# KiCad board MASLAB.kicad_pcb (continued)
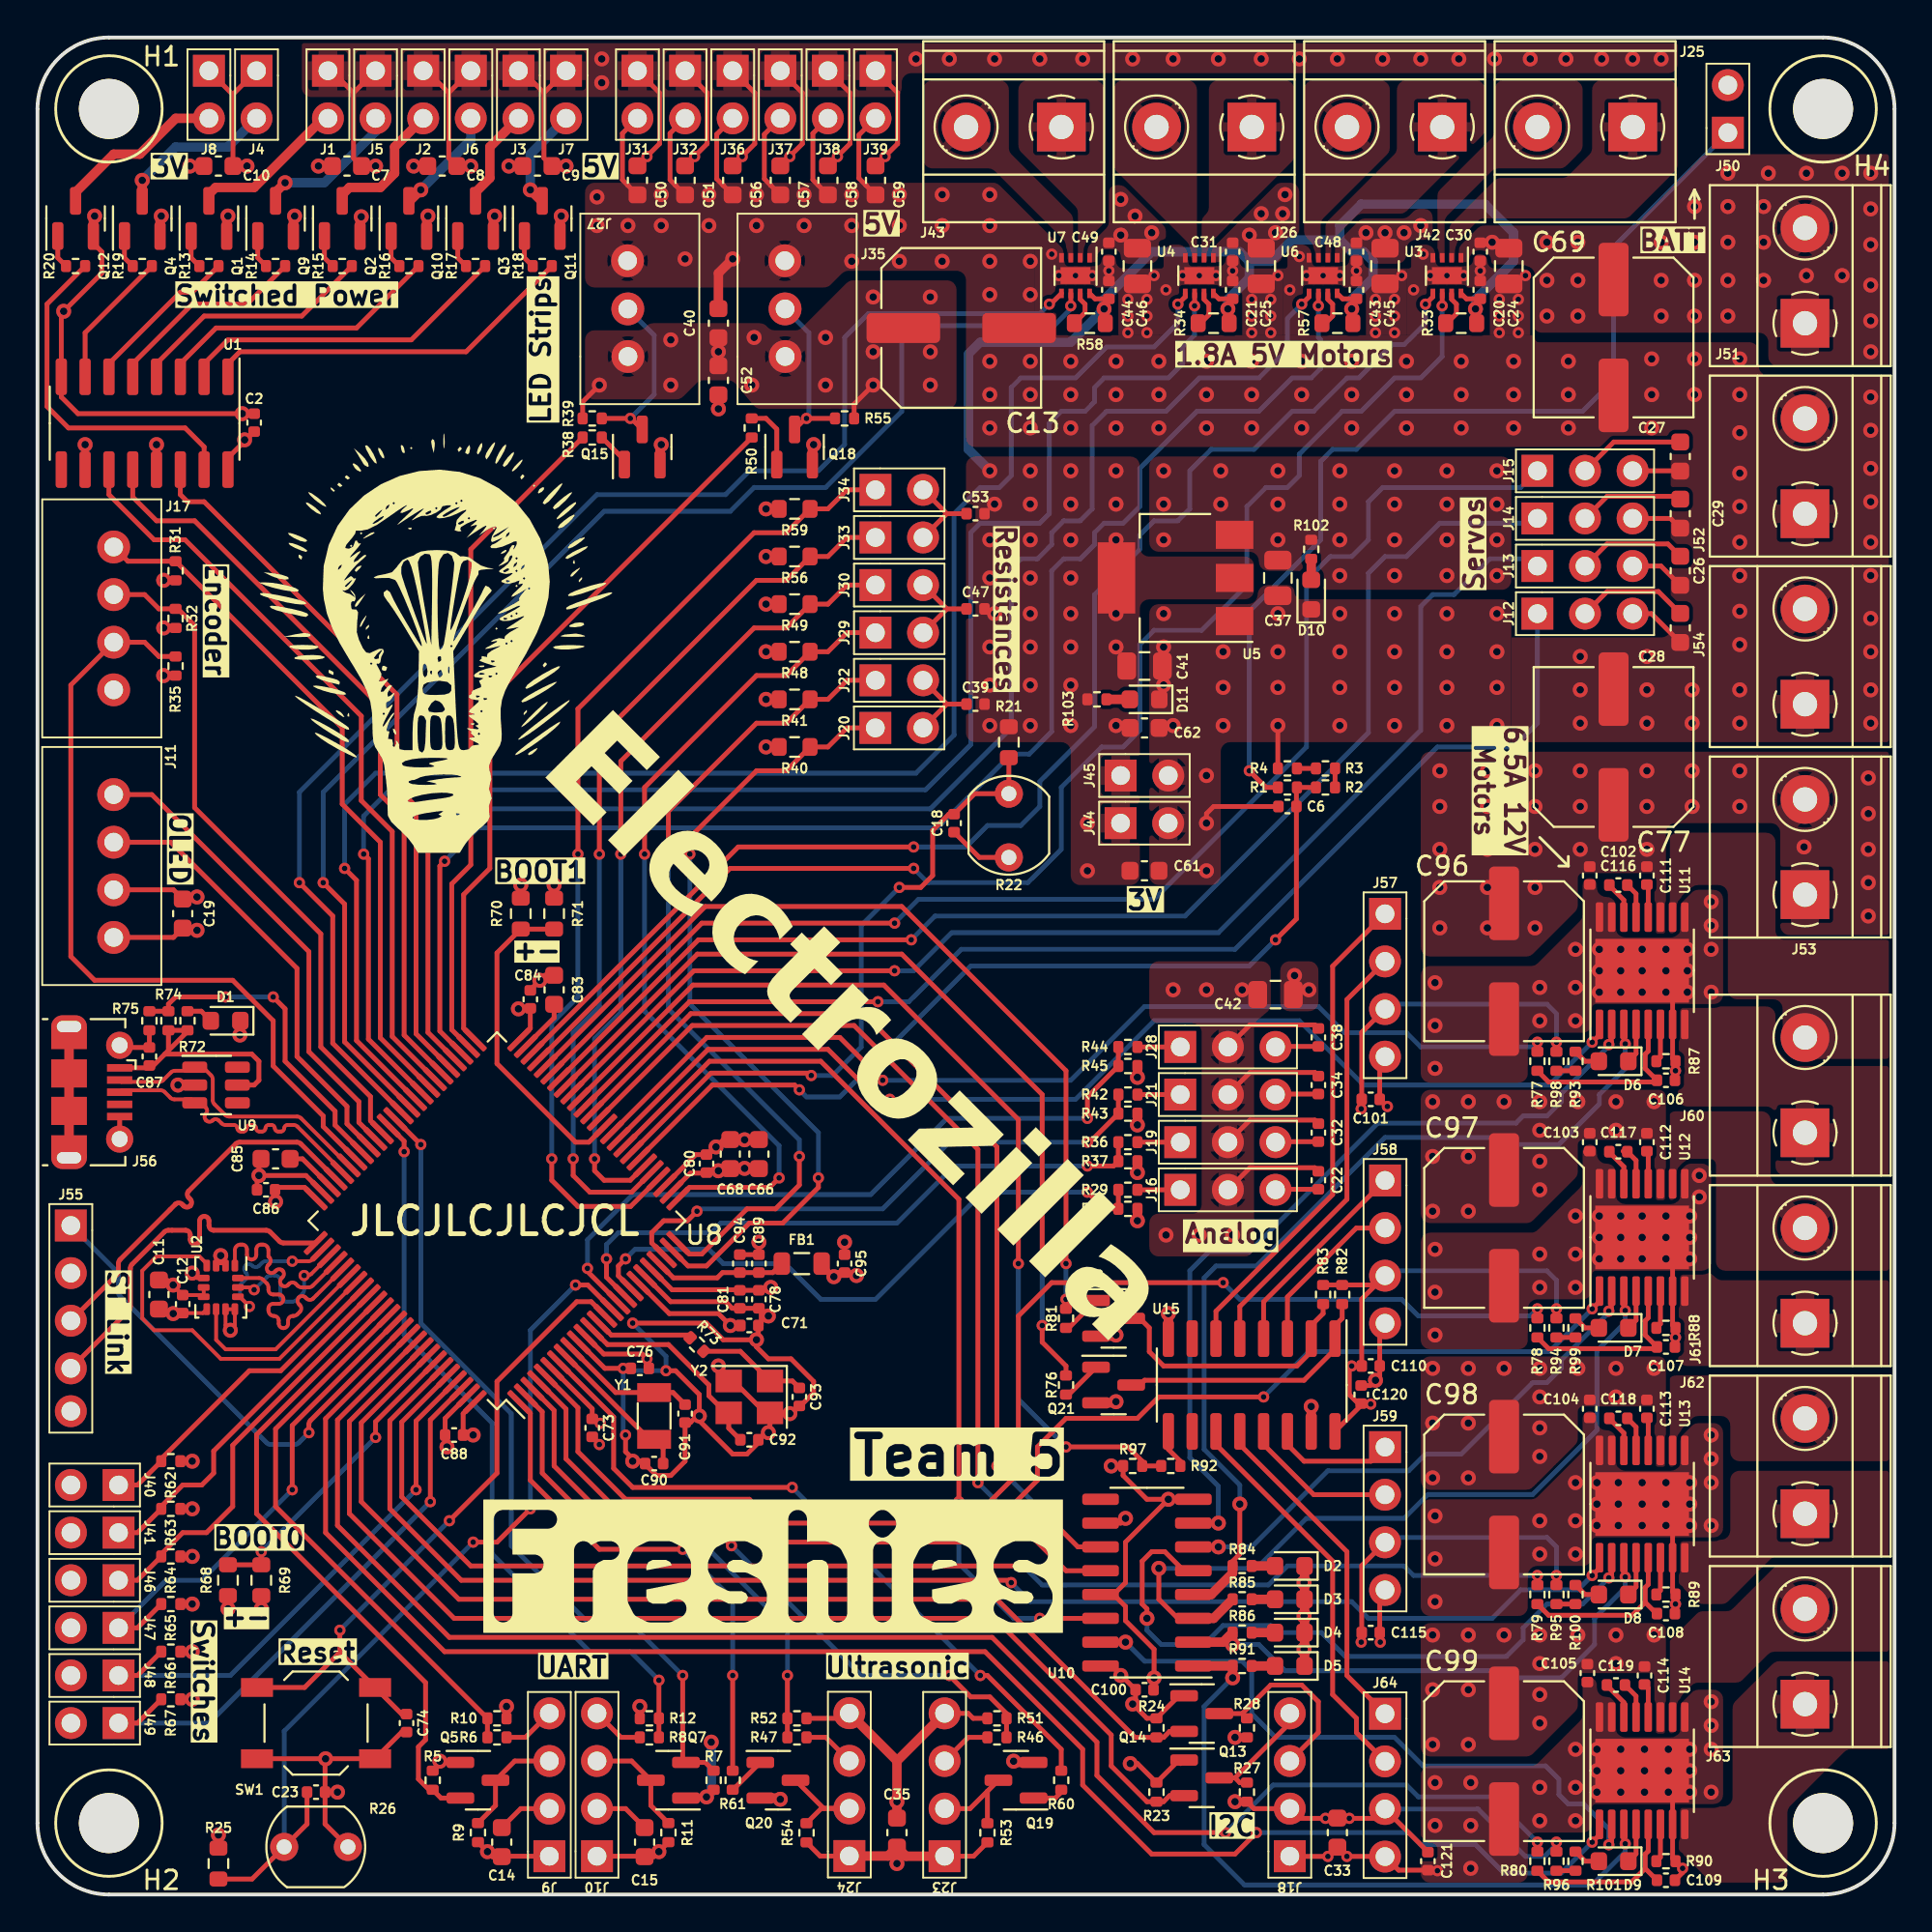
[diagram p0: board, top side]
## Routing (per net, layer and track width the routed paths; a pad name or vN(x,y) marks a point on that pad's centre or on a via; arc(x,y) is an arc through that point) (continued)
/OSC32IN: length 8.1
  Top w0.254: U8.8 32.64,24.28 Y1.2 33.37,23.8 C90.2
/OSC32OUT: length 7.2
  Top w0.254: U8.9 30.85,26.78 Y1.1 33.9,26.78 C91.2
/OSCIN: length 11.2
  Top w0.254: U8.12 30.41,29.34 33.66,29.34 35.81,27.18 35.81,26.61 36.73,25.69 Y2.3 36.87,24.88 C92.2
/OSCLO: length 5.9
  Top w0.254: C93.2 40.27,27.39 39.07,27.39 37.49,28.98 R73.1
/OSCOUT: length 5.2
  Top w0.254: R73.2 34.67,29.84 30.61,29.84 U8.13
/QA: length 8.1
  Top w0.254: R13.1 8.26,85.47 7.62,85.47 3.81,81.66 3.81,81.6
/QB: length 10.4
  Top w0.254: 5.08,81.6 5.08,81.66 8.25,84.84 11.18,84.84 R14.1
/QC: length 12.6
  Top w0.254: 6.35,81.6 6.35,81.66 8.89,84.2 14.1,84.2 R15.1
/QD: length 14.9
  Top w0.254: R16.1 17.02,83.57 9.52,83.57 7.62,81.66 7.62,81.6
/QE: length 17.2
  Top w0.254: 8.89,81.6 8.89,81.66 10.16,82.93 19.94,82.93 R17.1
/QF: length 19.6
  Top w0.254: R18.1 22.86,82.3 10.79,82.3 10.16,81.66 10.16,81.47
/QG: length 6.7
  Top w0.254: 2.54,81.6 2.54,83.31 R19.1
/QH: length 18.8
  Top w0.254: R20.1 2.54,86.87 0.51,84.84 0.51,79.38 1.65,78.23 7.87,78.23 8.89,77.22 U1.15
/RMSR1: length 43.8
  Top w0.254: 44.7,62.23 43.18,62.23 42.16,61.21 R40.2 39.94,59.94 38.35,59.94 34.8,56.39 v2(34.8,55.5) ; U8.24 34.7,33.53 35.69,33.53 37.97,35.81 39.75,35.81 41.66,37.72 v2(41.66,38.23)
  Bottom w0.254: v2(41.66,38.23) 41.66,40.64 34.8,47.5 v2(34.8,55.5)
/RMSR2: length 45
  Top w0.254: v2(33.66,55.5) 33.66,57.78 38.35,62.48 39.94,62.48 R41.2 42.16,63.75 43.18,64.77 J22.1 ; U8.25 34.77,34.16 35.43,34.16 37.85,36.58 39.37,36.58 40.64,37.85 v2(40.64,39.37)
  Bottom w0.254: v2(40.64,39.37) 40.64,40.26 33.66,47.24 v2(33.66,55.5)
/RMSR3: length 45.4
  Top w0.254: v2(32.38,55.5) 32.38,59.05 38.35,65.02 39.94,65.02 R48.2 42.16,66.29 43.18,67.31 J29.1 ; U8.26 34.77,37.72 39.05,37.72 v2(39.56,38.23)
  Bottom w0.254: v2(39.56,38.23) 39.56,39.94 32.38,47.12 v2(32.38,55.5)
/RMSR4: length 43.1
  Top w0.254: v2(29.72,39.24) 29.72,38.61 30.23,38.1 31.62,38.1 U8.31 ; v2(31.12,55.5) 31.12,60.45 38.23,67.56 39.94,67.56 R49.2 42.16,68.83 43.18,69.85 J30.1
  Bottom w0.254: v2(29.72,39.24) 29.72,45.66 31.12,47.05 v2(31.12,55.5)
/RMSR5: length 48.1
  Top w0.254: v2(29.97,55.5) 29.97,61.72 38.35,70.1 39.94,70.1 R56.2 42.16,71.37 43.18,72.39 J33.1 ; U8.30 31.69,37.46 29.46,37.46 28.57,38.35 v2(28.57,39.24)
  Bottom w0.254: v2(29.97,55.5) 29.97,47.37 28.57,45.97 v2(28.57,39.24)
/RMSR6: length 53.3
  Top w0.254: v2(27.43,39.24) 27.43,38.1 28.83,36.7 31.64,36.7 U8.29 ; v2(28.83,55.5) 28.83,63.25 38.23,72.64 39.94,72.64 R59.2 42.16,73.91 43.18,74.93 J34.1
  Bottom w0.254: v2(27.43,39.24) 27.43,46.48 28.83,47.88 v2(28.83,55.5)
/RMSR7: length 17.4
  Top w0.254: U8.83 12.97,27.94 11.3,27.94 6.6,23.24 R62.2 5.33,21.84 J40.1
/RMSR8: length 19.3
  Top w0.254: U8.84 9.4,23.66 9.4,22.48 8.76,21.84 7.75,21.84 6.6,20.7 R63.2 5.33,19.3 J41.1
/RMSR9: length 21.8
  Top w0.254: J46.1 5.33,16.76 R64.2 6.6,18.16 7.75,19.3 9.02,19.3 10.41,20.7 10.41,23.97 U8.85
/RMSR10: length 26.3
  Top w0.254: J47.1 5.33,14.22 R65.2 ; U8.88 13.59,25.02 v2(13.59,21.59)
  Bottom w0.254: v2(13.59,21.59) 8.76,16.76 6.86,16.76 4.32,14.23 J47.1
/RMSR11: length 29.4
  Top w0.254: R66.2 5.33,11.68 J48.1 ; U8.97 20.19,25.26 v2(20.19,21.59)
  Bottom w0.254: v2(20.19,21.59) 10.29,11.68 J48.1
/RMSR12: length 31
  Top w0.254: R67.2 5.33,9.14 J49.1 ; v2(20.95,20.95) 20.95,25.31 U8.98
  Bottom w0.254: J49.1 9.14,9.14 v2(20.95,20.95)
/RX1: length 29.7
  Top w0.254: R6.2 R10.2 12.7,20.7 12.7,24.84 U8.87
/RX1HDR: length 2.8
  Top w0.254: J9.4 26.03,8.38 R6.1
/RX2: length 39.9
  Top w0.254: v2(19.56,39.62) 19.56,40.19 U8.64 ; R8.2 R12.2 v2(33.15,11.43)
  Bottom w0.254: v2(19.56,39.62) 19.56,29.84 24.26,25.15 24.26,18.16 29.46,12.95 31.62,12.95 v2(33.15,11.43)
/RX2HDR: length 2.8
  Top w0.254: R8.1 31.12,8.38 J10.4
/SCL1: length 62.4
  Top w0.254: Q13.2 60.39,5.27 60.07,4.95 R23.2 59.18,4.95 57.28,6.86 57.28,8.51 51.05,14.73 22.22,14.73 16.64,20.32 16.64,25.24 U8.92
/SCL1HDR: length 6.2
  Top w0.254: 64.52,5.97 64.51,5.97 64.13,5.97 63.88,6.22 ; 63.88,6.22 66.8,9.14 J18.4 ; 63.88,6.22 Q13.3
/SCL2: length 23.6
  Top w0.254: U8.67 16.51,41.11 16.51,42.04 13.84,44.7 13.84,49.4 7.11,56.13 J11.2
/SDA1: length 58.5
  Top w0.254: Q14.2 60.39,8.7 60.07,8.38 R24.2 58.55,8.38 51.18,15.75 22.48,15.75 17.27,20.95 17.27,25.17 U8.93
/SDA1HDR: length 10.4
  Top w0.254: J18.3 68.33,8.65 68.33,10.29 67.44,11.18 65.79,11.18 64.26,9.65 ; Q14.3 64.26,9.65 ; 64.26,9.65 R28.2
/SDA2: length 25.3
  Top w0.254: J11.1 6.1,58.67 14.48,50.29 14.48,44.96 17.15,42.29 17.15,41.19 U8.66
/SNSBUS: length 17.5
  Top w0.254: R74.2 6.98,47.24 ; R74.2 6.98,47.5 7.37,47.88 v2(10.03,47.88) ; R74.2 R75.1 ; U8.68 15.88,41.04 15.88,41.78 13.21,44.45 13.21,47.24 v2(12.57,47.88)
  Bottom w0.254: v2(10.03,47.88) v2(12.57,47.88)
/SRCLK: length 40.7
  Top w0.254: U1.11 3.81,74.68 6.22,72.26 7.87,72.26 17.27,62.86 17.27,58.36 18.92,56.71 18.92,45.77 U8.57
/SRDAT: length 38.3
  Top w0.254: U1.14 7.62,74.68 8,74.29 8.89,74.29 19.18,64.01 19.18,59.05 20.19,58.04 20.19,45.92 U8.55
/SRPDT1: length 35.7
  Top w0.254: R38.1 23.11,71.76 23.11,54.93 22.1,53.91 22.1,46.13 U8.52
/SRPDT2: length 38.7
  Top w0.254: R50.1 24.13,63.75 24.13,54.74 22.73,53.34 22.73,46.2 U8.51
/SRPM1: length 1.9
  Top w0.254: Q15.1 31.31,76.52 R38.2
/SRPM2: length 3.5
  Top w0.254: R50.2 38.86,78.74 39.44,78.17 Q18.1
/SRPP1: length 9.3
  Top w0.254: R39.2 v2(31.62,78.74) 31.67,78.74 Q15.3
  Bottom w0.254: v2(31.62,78.74) 32.89,80.01 32.89,83.18 J27.2
/SRPP2: length 8.8
  Top w0.254: R55.2 v2(41.02,78.74) 40.97,78.74 Q18.3
  Bottom w0.254: J35.2 41.15,83.31 41.15,78.87 v2(41.02,78.74)
/SRSV: length 40.2
  Top w0.254: U8.56 19.56,45.84 19.56,57.4 18.29,58.67 18.29,63.37 8.38,73.28 6.35,73.28 5.08,74.55 U1.12
/SRV1: length 65.1
  Top w0.254: U8.40 34.78,47.62 v2(44.83,47.62)
  Bottom w0.254: v2(44.83,47.62) 46.48,47.62 49.28,50.42 63.88,50.42 74.68,61.21 78.74,61.21 80.01,62.48 J12.1
/SRV2: length 67.3
  Top w0.254: U8.42 35.02,49.28 v2(45.72,49.28)
  Bottom w0.254: v2(45.72,49.28) 46.74,49.28 48.77,51.31 62.99,51.31 73.79,62.1 73.79,68.71 74.42,69.34 75.56,69.34 77.47,71.25 79.63,71.25 J13.1
/SRV3: length 69.6
  Top w0.254: v2(46.61,50.93) 35.25,50.93 U8.44
  Bottom w0.254: v2(46.61,50.93) 47.88,52.2 61.21,52.2 70.99,61.98 70.99,70.48 71.88,71.37 73.03,71.37 74.8,73.15 79.76,73.15 J14.1
/SRV4: length 72.2
  Top w0.254: v2(45.72,51.82) 35.44,51.82 U8.45
  Bottom w0.254: J15.1 79.12,75.06 71.75,75.06 70.99,74.29 70.99,72.26 70.1,71.37 68.96,71.37 67.69,70.1 67.69,61.21 59.56,53.09 46.99,53.09 v2(45.72,51.82)
/SWCLK: length 20
  Top w0.254: J55.4 4.87,31.15 arc(4.93,31.25) 4.95,31.37 4.95,33.4 arc(4.98,33.52) 5.04,33.62 6.77,35.35 arc(6.87,35.41) 6.98,35.43 7.9,35.43 arc(8.07,35.36) 8.15,35.18 8.15,34.94 arc(8.22,34.76) 8.4,34.69 arc(8.57,34.76) 8.65,34.94 8.65,35.93 arc(8.72,36.1) 8.9,36.18 arc(9.07,36.1) 9.15,35.93 9.15,35.68 arc(9.22,35.51) 9.4,35.43 12.19,35.43 arc(12.31,35.41) 12.41,35.35 12.91,34.84 arc(13,34.78) 13.12,34.76 U8.76
/SWDIO: length 20
  Top w0.254: U8.72 14.04,40.04 arc(13.95,40.11) 13.83,40.13 10.79,40.13 arc(10.68,40.11) 10.58,40.04 8.06,37.53 arc(7.99,37.35) 8.06,37.17 8.15,37.09 arc(8.22,36.92) 8.15,36.74 arc(7.97,36.67) 7.79,36.74 7.71,36.82 arc(7.53,36.89) 7.36,36.82 7.07,36.53 4.41,33.87 arc(4.34,33.77) 4.32,33.66 4.32,33.27 arc(4.3,33.16) 4.23,33.06 J55.3
/SWO: length 26
  Top w0.254: v2(14.48,24.64) 14.48,25.08 arc(14.5,25.19) 14.57,25.29 U8.89
  Bottom w0.254: v2(14.48,24.64) 13.93,24.09 arc(13.83,24.03) 13.72,24 12.44,24 arc(12.33,24.03) 12.23,24.09 4.41,31.92 arc(4.34,32.01) 4.32,32.13 4.32,33.02 arc(4.3,33.14) 4.23,33.23 J55.1
/SWPA: length 1.8
  Top w0.254: Q1.1 8.19,87.31 R13.2
/SWPB: length 1.8
  Top w0.254: Q9.1 11.75,87.31 R14.2
/SWPC: length 1.8
  Top w0.254: Q2.1 15.31,87.31 R15.2
/SWPD: length 1.8
  Top w0.254: R16.2 18.86,87.31 Q10.1
/SWPE: length 1.8
  Top w0.254: R17.2 22.42,87.31 Q3.1
/SWPF: length 1.8
  Top w0.254: Q11.1 25.97,87.31 R18.2
/SWPG: length 1.8
  Top w0.254: R19.2 4.64,87.31 Q4.1
/SWPH: length 1.8
  Top w0.254: Q12.1 1.08,87.31 R20.2
/TRIG1: length 38.1
  Top w0.254: v2(50.29,11.68) 50.67,11.68 54.61,7.75 R60.2 ; v2(40.26,21.72) 31.75,21.72 30.73,22.73 30.73,25.48 U8.7
  Bottom w0.254: v2(40.26,21.72) v2(50.29,11.68)
/TRIG2: length 27
  Top w0.254: R61.2 v2(37.08,11.68) ; U8.1 26.29,25.68 26.29,22.1 29.97,18.41 v2(34.42,18.41)
  Bottom w0.254: v2(37.08,11.68) 37.08,15.75 v2(34.42,18.41)
/TX1: length 34.4
  Top w0.254: U8.86 11.68,24.53 11.68,20.32 20.7,11.3 20.7,8.25 20.32,7.87 20.32,6.16 20.89,5.59 R5.2 21.52,5.15 Q5.2
/TX1HDR: length 6
  Top w0.254: R9.2 24.43,4.75 Q5.3 25.46,7.12 J9.3
/TX2: length 43.7
  Top w0.254: v2(34.42,11.68) 34.42,7.22 Q7.2 35.63,7.05 R7.2 ; v2(20.45,40) U8.63
  Bottom w0.254: v2(20.45,40) 20.45,30.48 25.27,25.65 25.27,18.61 29.78,14.1 32,14.1 v2(34.42,11.68)
/TX2HDR: length 6
  Top w0.254: R11.2 32.72,4.75 Q7.3 31.69,7.12 J10.3
/USB_D+: length 15.5
  Top w0.2: J56.3 4.48,42.9 6.57,42.9 arc(6.69,42.88) 6.78,42.81 7.09,42.51 arc(7.18,42.44) 7.3,42.42 8.2,42.42 U9.3 8.9,42.23 8.9,42.06 8.98,41.98 arc(9.05,41.81) 8.98,41.64 arc(8.91,41.48) 8.98,41.31 9,41.29 arc(9.17,41.22) 9.33,41.29 arc(9.5,41.36) 9.67,41.29 9.82,41.14 arc(9.92,41.07) 10.03,41.05 10.48,41.05 arc(10.61,41) 10.66,40.88 arc(10.71,40.75) 10.84,40.7 10.98,40.7 arc(11.11,40.75) 11.16,40.88 arc(11.21,41) 11.34,41.05 11.48,41.05 arc(11.61,41) 11.66,40.88 arc(11.71,40.75) 11.84,40.7 11.98,40.7 arc(12.11,40.75) 12.16,40.88 arc(12.21,41) 12.34,41.05 12.48,41.05 arc(12.61,41) 12.66,40.88 arc(12.71,40.75) 12.84,40.7 12.98,40.7 arc(13.11,40.75) 13.16,40.88 arc(13.21,41) 13.34,41.05 13.66,41.05 arc(13.77,41.03) 13.87,40.96 16.26,38.57 U8.71
/USB_D-: length 15.5
  Top w0.2: J56.2 4.48,43.35 6.49,43.35 arc(6.6,43.37) 6.7,43.44 7.12,43.85 arc(7.22,43.92) 7.33,43.94 8.2,43.94 U9.1 8.83,44.13 9.26,43.7 arc(9.33,43.6) 9.35,43.48 9.35,42.37 arc(9.37,42.25) 9.44,42.16 10.01,41.59 arc(10.1,41.52) 10.22,41.5 13.84,41.5 arc(13.96,41.48) 14.05,41.41 16.57,38.89 U8.70
/UTE1: length 2.8
  Top w0.254: J23.3 49.65,8.38 R46.2
/UTE2: length 2.8
  Top w0.254: R47.2 42.06,8.38 J24.3
/UTT1: length 5.2
  Top w0.254: J23.2 49.75,4.58 50.67,5.51 ; Q19.3 50.67,5.51 ; 50.67,5.51 R53.1
/UTT2: length 6.1
  Top w0.254: Q20.3 41.94,4.59 J24.2 41.81,4.59 R54.1
/UTTL1: length 1.8
  Top w0.254: Q19.1 54.3,5.15 54.74,5.59
/UTTL2: length 2.1
  Top w0.254: R61.1 37.1,5.59 Q20.1
/VBLED: length 1.5
  Top w0.254: D1.2 8.74,47.12 R72.2
/VCAP1: length 2.9
  Top w0.254: U8.49 27.56,46.77 27.56,47.48
/VCAP2: length 2.7
  Top w0.254: C85.1 14.14,39.24 U8.73
Net-(J1-Pin_2): length 8.4
  Top w0.5: J1.2 15.25,94.75 11.56,91.06 9.5,91.06 9.14,90.7 Q1.3
Net-(J2-Pin_2): length 7.2
  Top w0.5: J2.2 19.05,93.22 19.05,91.82 18.29,91.06 16.64,91.06 16.26,90.68 Q2.3
Net-(J3-Pin_2): length 5.3
  Top w0.5: Q3.3 23.37,90.8 24.13,91.57 24.13,93.22 J3.2
Net-(J4-Pin_2): length 8.7
  Top w0.5: Q4.3 5.59,91.31
  Bottom w0.5: v1(5.59,91.44) 5.59,91.31 ; v1(5.59,91.44) 5.71,91.44 ; v1(5.59,91.44) 7.37,93.22 10.16,93.22 J4.2
Net-(J5-Pin_2): length 7.8
  Top w0.5: Q9.3 12.7,90.8 v1(13.21,91.31)
  Bottom w0.5: v1(13.21,91.31) 15.3,91.31 18.03,94.05 J5.2
Net-(J6-Pin_2): length 5.8
  Top w0.5: v1(20.45,90.93) 19.86,90.35 Q10.3
  Bottom w0.5: J6.2 23.11,93.6 v1(20.45,90.93)
Net-(J7-Pin_2): length 5.5
  Top w0.5: v1(26.29,90.93) 26.88,90.35 Q11.3
  Bottom w0.5: v1(26.29,90.93) 26.29,92.84 J7.2
Net-(J8-Pin_2): length 9.2
  Top w0.5: Q12.3 2.03,90.8 4.06,92.84 5.46,92.84 7.37,94.75 J8.2

## Copper pours and planes (outline as drawn; the poured copper is in the pictures)
+3.3V on Top: 64.9,71.37 64.9,69.09 58.8,69.09 58.8,53.85 55.12,53.85 55.12,61.47 49.53,61.47 49.53,76.71 58.8,76.71 58.8,71.37
+3.3V on In2.Cu: 13.21,103.12 13.21,89.41 28.19,89.41 28.19,76.71 58.8,76.71 58.8,6.48 21.59,6.48 21.59,-6.86 -4.45,-6.86 -4.45,103.12
+5V on Top: 74.42,88.26 73.03,88.26 73.03,87 70.99,87 70.99,87.76 69.72,87.76 69.72,86.87 69.22,86.87 69.22,88.01 70.61,89.41 73.03,89.41 73.53,89.92 74.42,89.92
+5V on Top: 49.02,79.25 38.35,79.25 37.08,80.77 35.31,80.77 34.29,79.76 29.21,79.76 29.21,83.44 32.26,83.44 32.64,83.82 38.73,83.82 39.12,83.44 40.64,83.44 43.31,86.11 49.02,86.11
+5V on Top: 67.31,88.39 66.42,88.39 66.42,87 64.39,87 64.39,87.76 63.12,87.76 63.12,86.87 62.61,86.87 62.61,87.76 66.17,91.31 67.31,91.31
+5V on Top: 62.1,36.32 59.31,36.32 59.31,34.04 64.9,34.04 64.9,46.48 65.79,47.24 65.79,49.78 59.31,49.78 59.31,46.48 62.1,46.48
+5V on Top: 87.5,97.16 46.1,97.16 46.1,95.88 14.1,95.88 14.1,100.33 87.5,100.33
+5V on Top: 78.61,69.6 67.31,69.6 67.31,70.61 65.15,70.61 65.15,71.63 59.31,71.63 59.31,76.71 78.61,76.71
+5V on Top: 60.2,88.9 60.2,88.26 59.82,88.26 59.82,87 57.78,87 57.78,87.76 56.51,87.76 56.51,86.87 56.01,86.87 56.01,87.88 57.15,89.03 57.15,91.19 57.91,91.19
+5V on Top: 100.58,81.53 92.33,81.53 92.33,83.31 79.76,83.31 79.76,86.87 77.47,86.87 77.47,87.63 76.45,87.63 76.45,86.87 75.82,86.87 75.82,87.88 76.96,89.03 85.22,89.03 88.9,92.84 100.58,92.84
+5V on In2.Cu: 13.72,103.12 103.63,103.12 103.63,61.47 73.28,61.47 73.28,-6.86 22.1,-6.86 22.1,5.97 59.31,5.97 59.31,77.22 28.7,77.22 28.7,89.92 13.72,89.92
+12V on Top: 86.87,22.73 86.87,28.7 73.79,28.7 73.79,21.59 79.63,21.59 82.17,24.13 82.17,26.03 86.23,26.03 86.23,22.73
+12V on Top: 100.58,51.18 92.96,51.18 92.96,57.15 86.87,57.15 86.87,51.18 86.23,51.18 86.23,54.48 82.17,54.48 82.17,52.58 79.63,50.04 73.79,50.04 73.79,60.96 100.58,60.96
+12V on Top: 86.87,36.96 86.87,42.93 73.79,42.93 73.79,35.81 79.63,35.81 82.17,38.35 82.17,40.26 86.23,40.26 86.23,36.96
+12V on Top: 86.87,8.51 86.87,14.48 73.79,14.48 73.79,7.37 79.63,7.37 82.17,9.91 82.17,11.81 86.23,11.81 86.23,8.51
+12V on In2.Cu: 99.82,-1.65 73.91,-1.65 73.79,60.96 99.69,60.96 99.69,48.13
GND on Top: 83.19,38.99 84.2,38.99 84.2,36.83 87.63,36.83 87.63,38.61 88.01,38.99 89.28,38.99 89.28,33.27 82.93,33.27 82.93,31.75 79.5,31.75 79.5,29.08 73.79,29.08 73.79,35.31 79.88,35.31 82.42,37.85 82.42,40 83.19,40
GND on Top: 83.19,24.77 84.2,24.77 84.2,22.61 87.63,22.61 87.63,24.38 88.39,25.15 89.92,25.15 89.92,19.05 82.93,19.05 82.93,17.53 79.5,17.53 79.5,14.86 73.79,14.86 73.79,21.08 79.88,21.08 82.42,23.62 82.42,25.78 83.19,25.78
GND on Top: 54.74,87.76 53.21,87.76 53.21,83.19 79.88,83.19 79.88,82.8 91.82,82.8 91.82,81.03 100.58,81.03 100.58,61.47 78.61,61.47 78.61,67.06 87.12,67.06 87.12,77.22 49.53,77.22 49.53,86.61 43.05,86.61 42.16,85.72 29.21,85.72 29.21,91.31 51.18,91.31
GND on Top: 74.55,86.87 76.58,86.87 76.58,87.5 77.34,87.5 77.34,86.74 79.63,86.74 79.63,83.19 77.47,83.19 77.47,85.72 74.17,85.72 74.17,83.19 73.03,83.19 73.03,86.74 73.28,86.74 73.28,88.01 74.55,88.01
GND on Top: 59.31,68.83 59.31,53.85 63.12,53.85 63.12,61.47 78.61,61.47 78.61,69.09 67.06,69.09 67.06,69.85 65.15,69.85 65.02,68.83
GND on Top: 54.74,86.87 56.77,86.87 56.77,87.5 57.53,87.5 57.53,86.74 59.82,86.74 59.82,83.19 57.66,83.19 57.66,85.72 54.36,85.72 54.36,83.19 53.21,83.19 53.21,87.76 54.74,87.76
GND on Top: 83.19,10.54 84.2,10.54 84.2,8.38 87.63,8.38 87.63,10.16 88.39,10.92 89.92,10.92 89.92,4.83 82.93,4.83 82.93,3.3 79.5,3.3 79.5,0.63 73.79,0.63 73.79,6.86 79.88,6.86 82.42,9.4 82.42,11.56 83.19,11.56
GND on Top: 83.19,53.21 84.2,53.21 84.2,51.05 87.63,51.05 87.63,52.83 88.39,53.59 89.92,53.59 89.92,47.5 82.93,47.5 82.93,45.97 79.5,45.97 79.5,43.31 73.79,43.31 73.79,49.53 79.88,49.53 82.42,52.07 82.42,54.23 83.19,54.23
GND on Top: 61.34,86.87 63.37,86.87 63.37,87.5 64.13,87.5 64.13,86.74 66.42,86.74 66.42,83.19 64.26,83.19 64.26,85.72 60.96,85.72 60.96,83.19 59.82,83.19 59.82,86.74 60.07,86.74 60.07,88.01 61.34,88.01
GND on Top: 66.29,47.12 68.33,47.12 68.33,49.78 66.29,49.78
GND on Top: 67.94,86.87 69.98,86.87 69.98,87.5 70.74,87.5 70.74,86.74 73.03,86.74 73.03,83.19 70.87,83.19 70.87,85.72 67.56,85.72 67.56,83.19 66.42,83.19 66.42,86.74 66.67,86.74 66.67,88.01 67.94,88.01
GND on In1.Cu: -10.29,105.66 109.73,105.41 109.6,-11.05 -17.78,-11.05 -16.38,105.79
/M1OUT1 on Top: 87.5,47.37 87.5,42.04 92.71,42.04 92.71,38.35 100.58,38.35 100.58,44.2 93.6,44.2 92.71,45.08 92.71,47.37
/M1OUT2 on Top: 87,51.18 87.63,51.18 87.63,53.21 88.39,53.85 90.17,53.85 90.17,47.75 93.09,47.75 93.09,45.34 93.85,44.58 100.58,44.58 100.58,50.93 92.71,50.93 92.71,56.64 87,56.64
/M2OUT1 on Top: 87.5,33.15 87.5,28.19 100.58,28.19 100.58,32.77 89.66,32.77 89.28,33.15
/M2OUT2 on Top: 87,36.96 87.63,36.96 87.63,38.86 88.01,39.24 89.53,39.24 89.53,33.27 100.58,33.27 100.58,37.85 92.46,37.85 92.46,41.78 87,41.78
/M3OUT1 on Top: 87.5,18.92 87.5,16.64 88.65,15.49 90.04,15.49 92.58,18.03 100.58,18.03 100.58,22.61 90.3,22.61 90.3,18.92
/M3OUT2 on Top: 87,22.73 87.63,22.73 87.63,24.77 88.39,25.53 90.3,25.53 90.3,23.11 100.58,23.11 100.58,27.69 87,27.69
/M4OUT1 on Top: 87.5,4.7 87.5,2.41 89.28,0.63 93.34,0.63 93.34,4.57 96.52,7.75 100.58,7.75 100.58,12.45 92.71,12.45 90.42,10.16 90.42,4.7
/M4OUT2 on Top: 87,8.51 87.63,8.51 87.63,10.54 88.39,11.3 90.81,11.3 92.46,12.95 100.58,12.95 100.58,17.53 92.71,17.53 90.3,15.11 88.65,15.11 87,13.46
/M5OUT1 on Top: 75.31,86.87 75.69,86.87 75.69,88.14 76.96,89.41 84.84,89.41 87.5,92.07 87.5,96.77 82.93,96.77 82.93,92.96 81.53,91.57 77.85,91.57 75.31,89.03
/M5OUT2 on Top: 75.06,86.87 75.06,89.41 77.72,92.07 81.41,92.07 82.42,93.09 82.42,96.77 77.72,96.77 77.72,93.85 74.68,90.8 74.68,86.87
/M6OUT1 on Top: 68.71,86.87 68.71,89.15 72.52,92.96 72.52,96.77 77.22,96.77 77.22,93.98 72.9,89.66 70.48,89.66 69.09,88.26 69.09,86.87
/M6OUT2 on Top: 68.45,86.87 68.07,86.87 68.07,88.01 67.56,88.52 67.56,96.77 72.14,96.77 72.14,92.96 68.45,89.28
/M7OUT1 on Top: 62.1,86.87 62.48,86.87 62.48,88.01 67.06,92.58 67.06,96.77 62.48,96.77 62.48,89.79 62.1,89.41
/M7OUT2 on Top: 61.85,86.87 61.47,86.87 61.47,88.01 57.4,92.07 57.4,96.77 61.85,96.77
/M8OUT1 on Top: 55.5,86.87 55.88,86.87 55.88,88.14 56.9,89.15 56.9,96.77 52.32,96.77 52.32,93.09 55.5,89.92
/M8OUT2 on Top: 54.86,88.14 50.93,92.07 47.24,92.07 47.24,96.77 51.82,96.77 51.82,92.96 55.25,89.53 55.25,86.87 54.86,86.87

## Text on the board
B.Silkscreen: 3V3> | Gnd> | DIO | 3V3 | CLK | Gnd | SWO | A | B | SW | SCL | SDA | TX> | 5V> | RX> | <5V> | <Dat> | <Gnd> | 5V | Trg | Ech | P> | M> | M8 | M7 | M6 | M5 | Anl> | GND | 12V | M1 | M3 | M4 | M2 | <Data | <5V | <Gnd
F.Silkscreen: OLED | Encoder | Resistances | 3V | Switched Power | BOOT0 | +- | Reset | BOOT1 | UART | 5V | Ultrasonic | 1.8A 5V Motors | Analog | I2C | BATT | LED Strips | Servos | ST Link | Switches | 6.5A 12V / Motors | JLCJLCJLCJCL | Team 5 | Freshies | Electrozilla
